# Altium PCB DD2090_4CAM_FFC.PcbDoc (part 1 of 4) (continued)
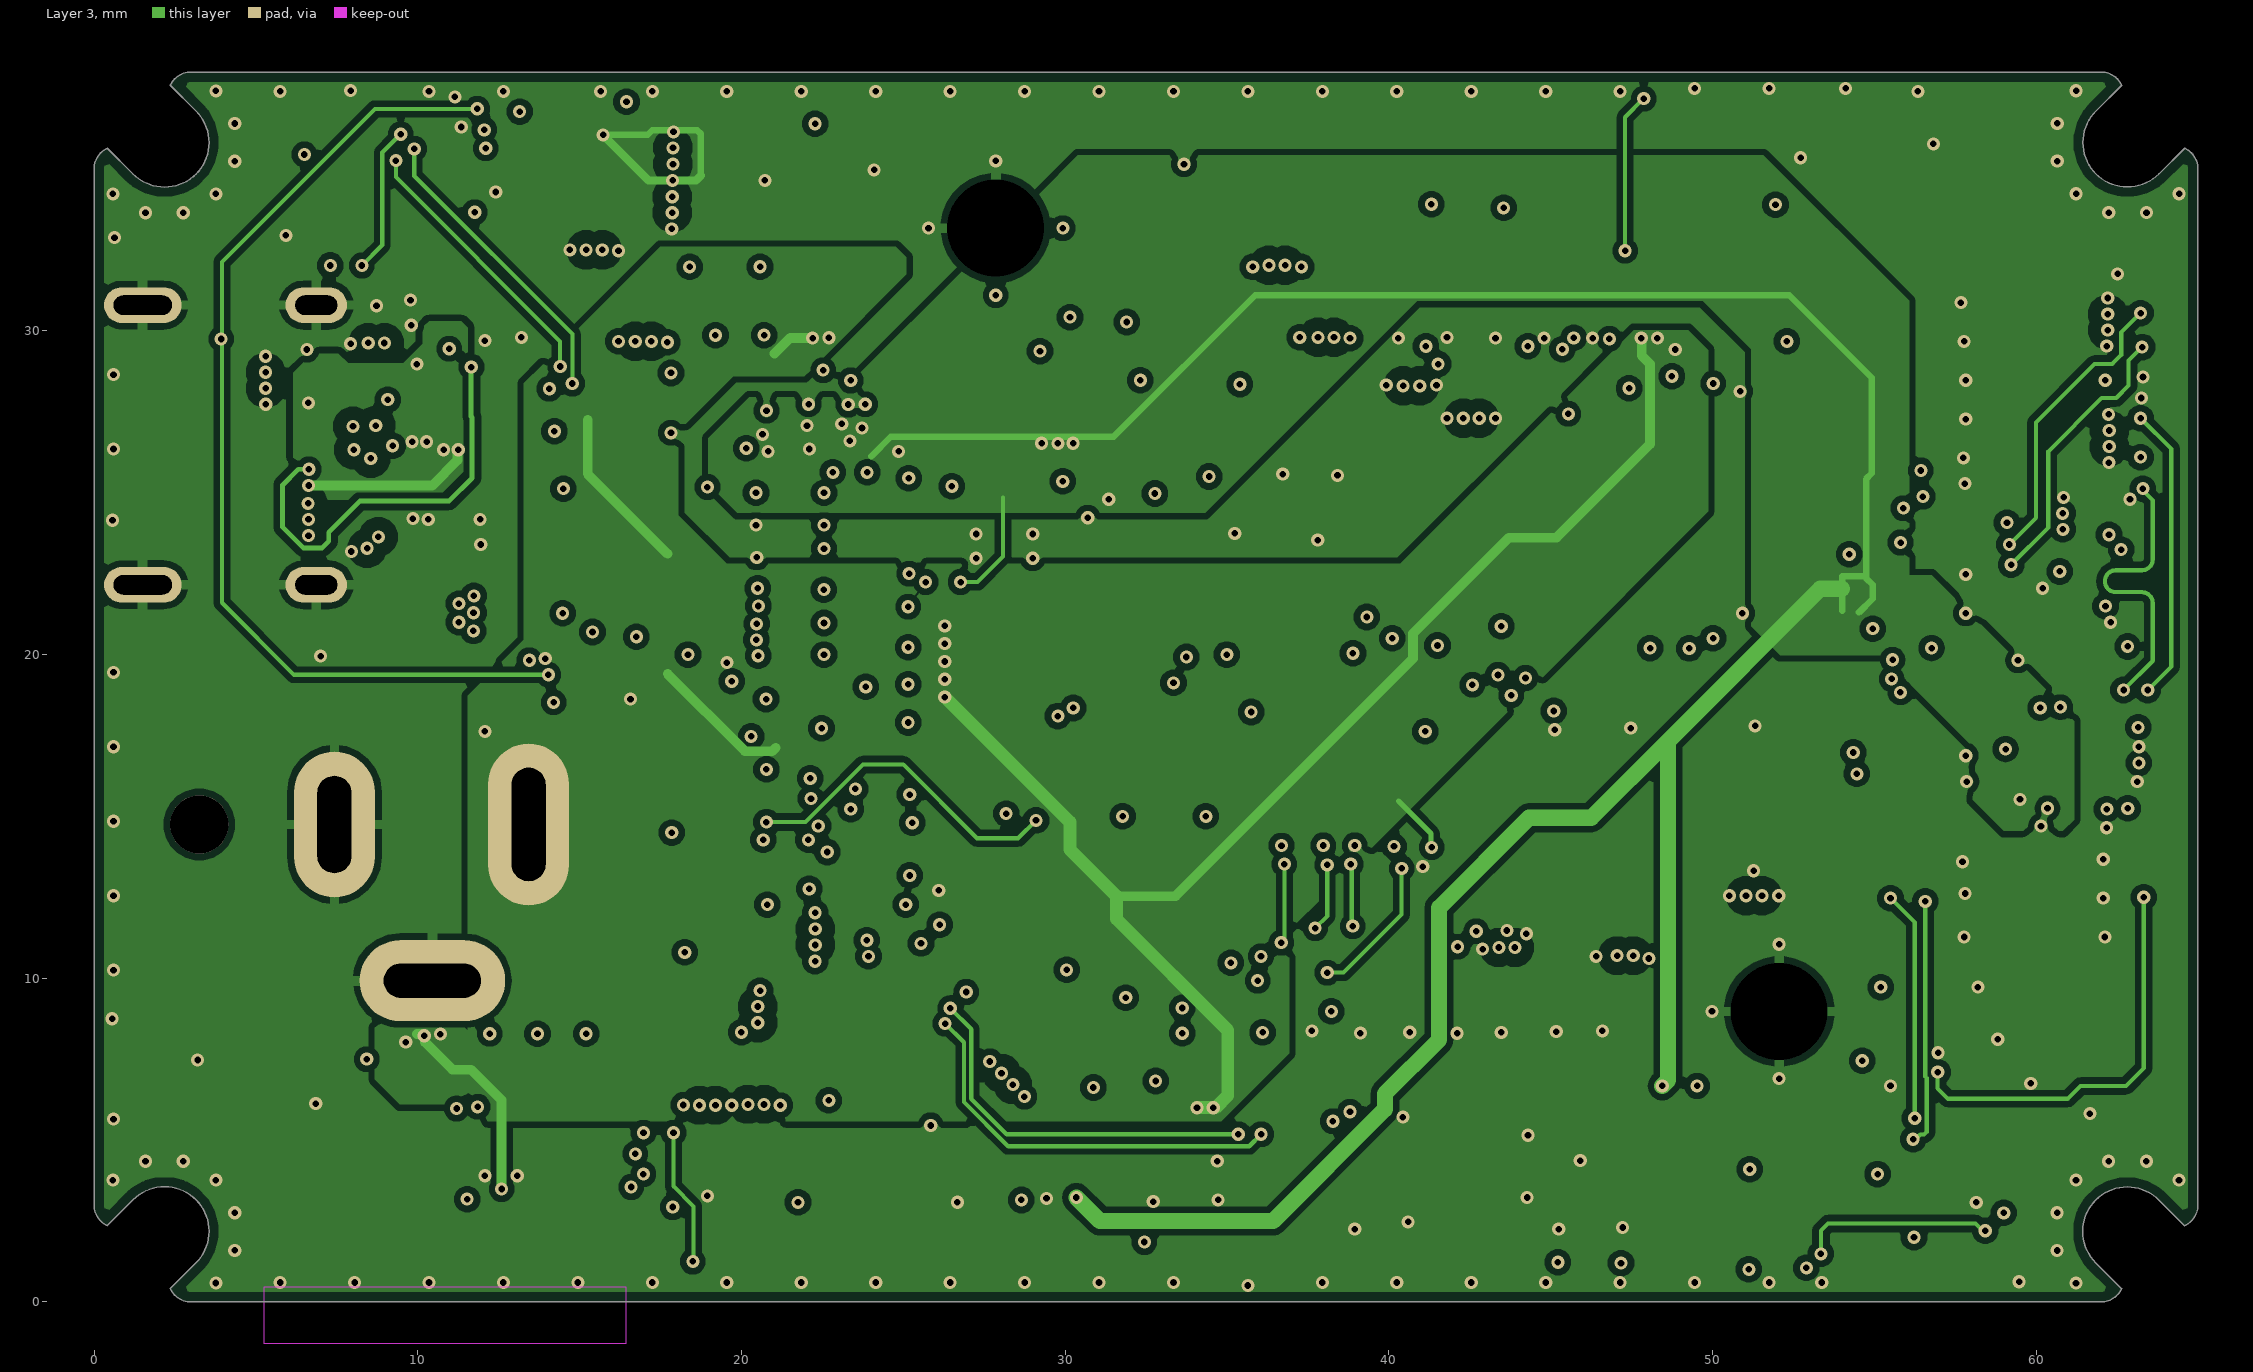
[diagram p4: Layer 3]
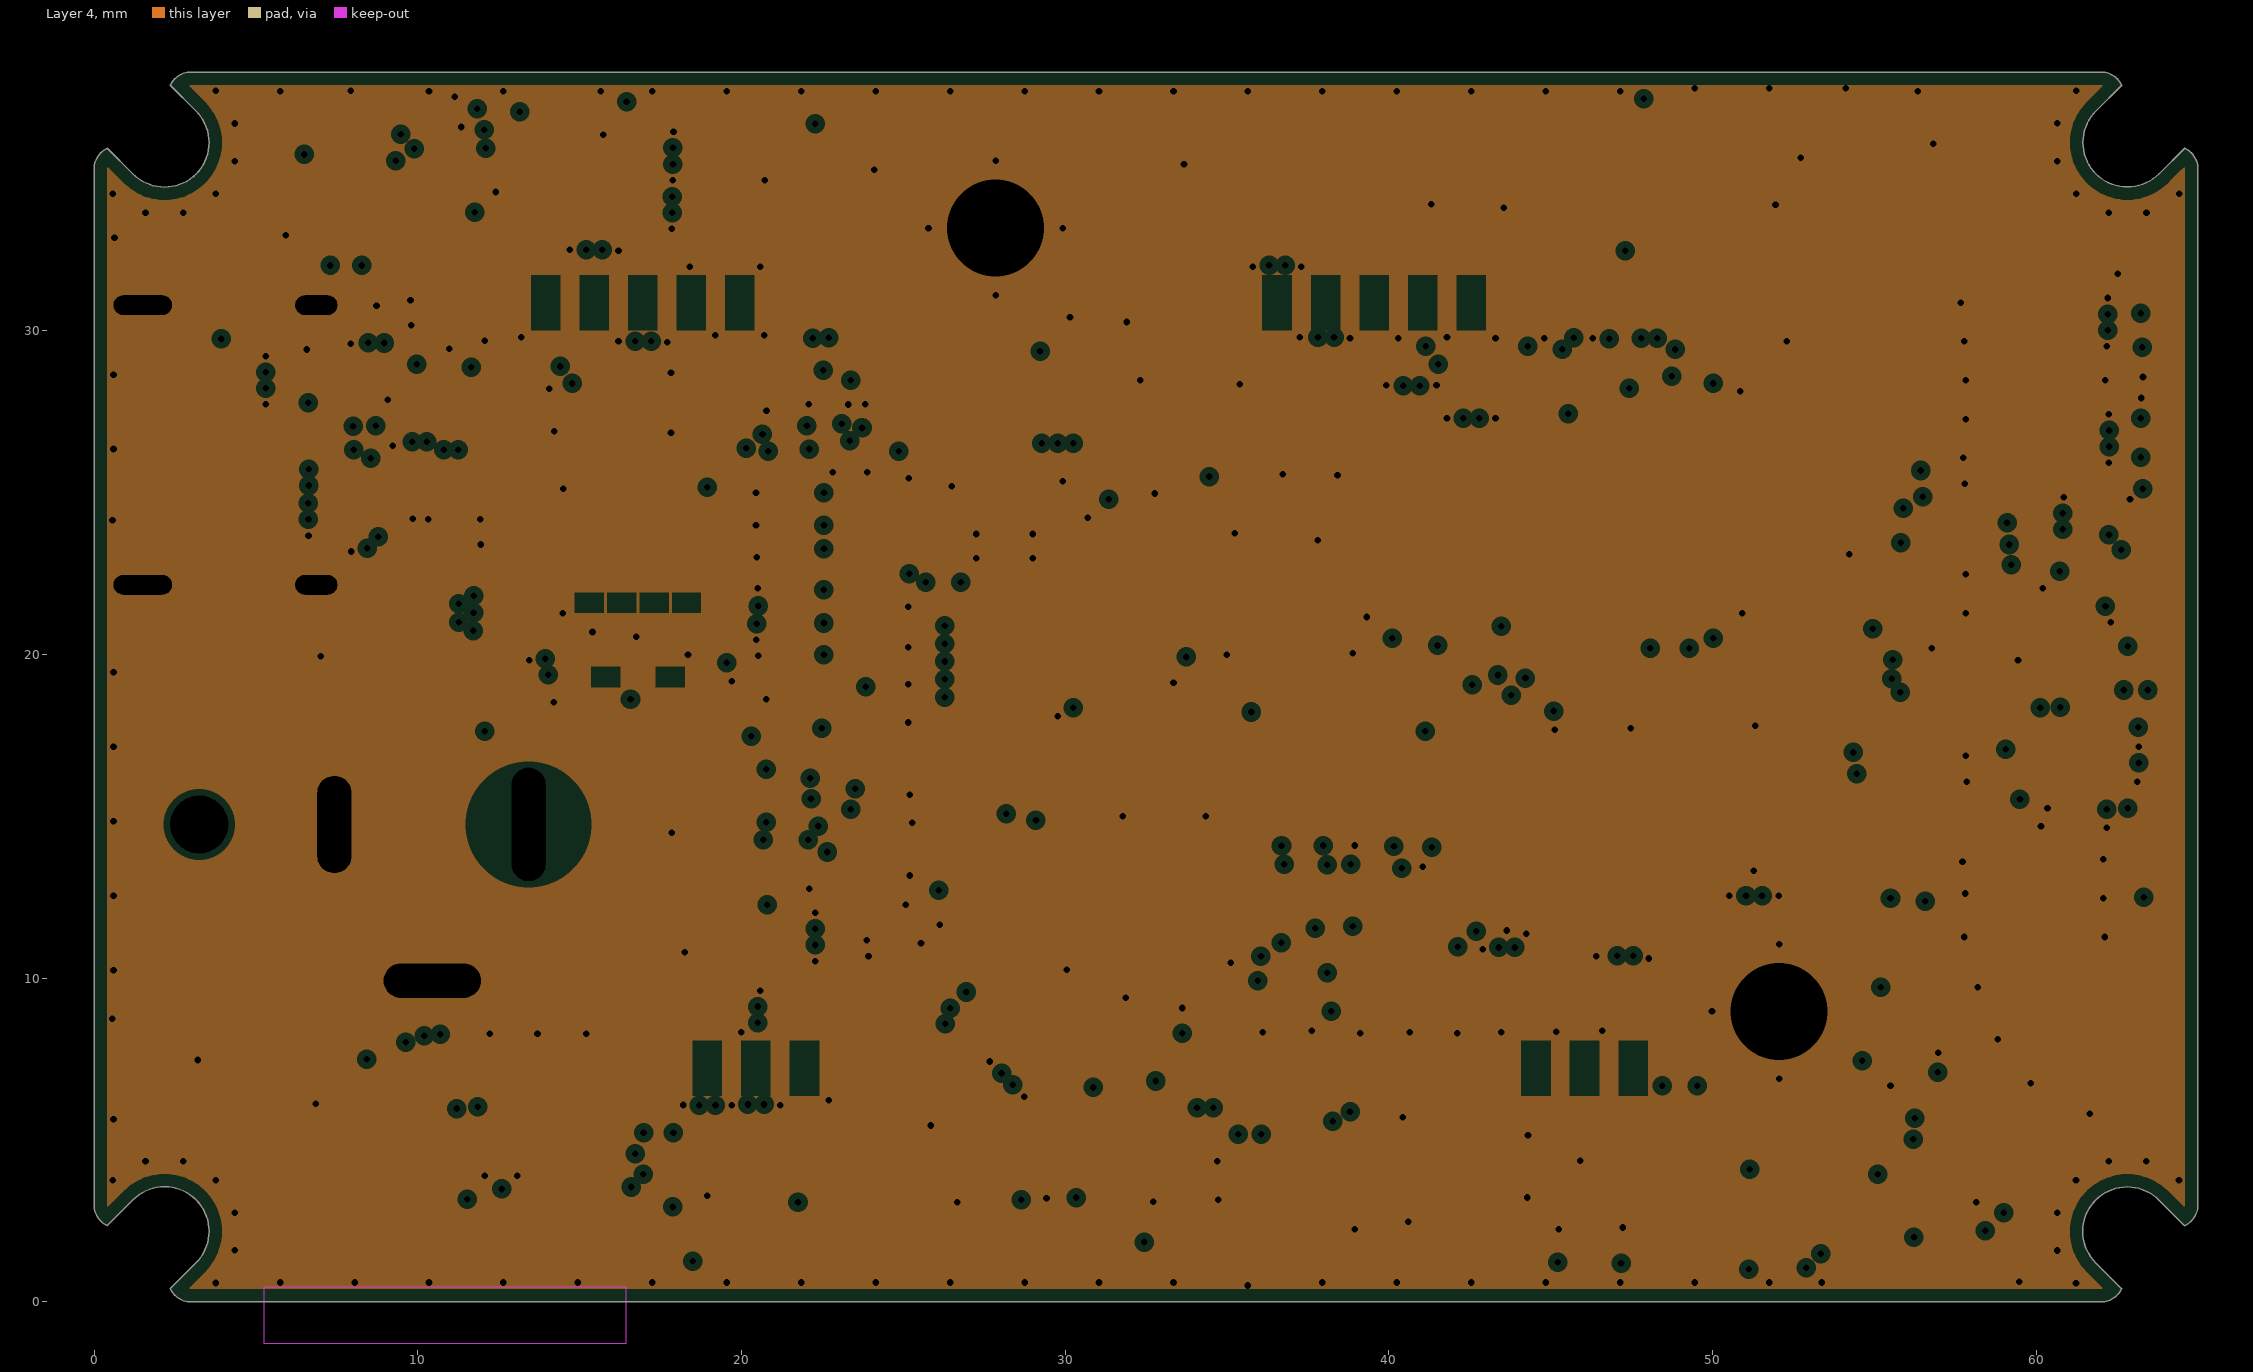
[diagram p5: Layer 4, clearances drawn from the general rule]

## Layer stack, top to bottom
Top Mask: solder mask 0.018, Solder Resist, Dk 4.2
Top Copper: signal copper 0.0356
Dielectric 3 (1080): prepreg 0.0711, PP-006, Dk 3.8
Layer 1: plane copper 0.035, net GND
Dielectric 1 (2116): prepreg 0.1168, PP-016, Dk 4.1
Layer 2: signal copper 0.035
Core: core 0.9906, q, Dk 4.6
Layer 3: signal copper 0.035
Dielectric 2 (2116): prepreg 0.1168, PP-016, Dk 4.1
Layer 4: plane copper 0.035, net GND
Dielectric 4 (1080): prepreg 0.0711, PP-006, Dk 3.8
Bottom Layer: signal copper 0.0356
Bottom Solder: solder mask 0.018, Solder Resist, Dk 4.2

## Board outline
2.354,0.41 ccw(c2.998,0.71) 2.998,0 61.997,0 ccw(c61.997,0.711) 62.641,0.41 62.64,0.408 61.843,1.205 cw(c62.815,2.178) 63.788,3.15 64.585,2.353 64.587,2.354 ccw(c64.287,2.998) 64.997,2.998 65,3 65,35 ccw(c64.29,35) 64.59,35.643 64.588,35.645 63.791,34.848 cw(c62.819,35.82) 61.846,36.792 62.644,37.59 62.645,37.587 ccw(c62.001,37.287) 62.001,37.998 2.998,37.998 ccw(c2.998,37.288) 2.354,37.588 2.353,37.586 3.15,36.789 cw(c2.178,35.816) 1.205,34.844 0.408,35.641 0.41,35.642 ccw(c0.711,34.998) 0,34.998 -0.002,35 -0.002,2.998 0,2.999 ccw(c0.711,2.999) 0.41,2.355 0.408,2.356 1.205,3.154 cw(c2.178,2.181) 3.15,1.209

## Design rules (kind name [scope] priority, off if disabled: settings)
AssemblyTestPointUsage [All] p1: valid=2
BoardOutlineClearance BoardOutlineClearance_Exception [HasFootprint('105450-0101')] p1: gap=0.225 ignorepadtopadclearanceinfootprint=FALSE
BoardOutlineClearance [All] p2: gap=0.305 ignorepadtopadclearanceinfootprint=FALSE
Clearance "Poly to Diff" [InNamedPolygon('GND_L1') Or InNamedPolygon('VBUS_TOP_DC') Or InNamedPolygon('VDD_5V_TOP_DC') Or InNamedPolygon('1V8_L3') Or InNamedPolygon('GND_L3') Or InNamedPolygon('VBUS_L3') Or InNamedPolygon('VDD_5V_L3') Or InNamedPolygon('3V3_L4') Or InNamedPolygon('GND_L4') Or InNamedPolygon('VBUS_L4') Or InNamedPolygon('VDD_5V_L4') Or InNamedPolygon('tgr') vs (InDifferentialPairClass('All Differential Pairs'))] p1: gap=0.2 ignorepadtopadclearanceinfootprint=FALSE except(0.4: Via-Fill Via-Poly Via-Region; 0.8: Arc-Fill Arc-Poly Arc-Region Track-Fill Track-Poly Track-Region)
Clearance general [All] p2: gap=0.102 ignorepadtopadclearanceinfootprint=FALSE except(0.089: Via-Via; 0.2: Arc-Fill Arc-Poly Arc-Region Track-Fill Track-Poly Track-Region SMDPad-Fill SMDPad-Poly SMDPad-Region THPad-Fill THPad-Poly THPad-Region Via-Fill Via-Poly Via-Region Fill-Fill Fill-Poly Fill-Region Poly-Poly Poly-Region Region-Region)
ComponentClearance [All] p1: gap=0 collisioncheckmode=3 verticalgap=0 showdistances=FALSE
DiffPairsRouting 90ohm_diff_pair [InDifferentialPairClass('USB3')] p1: maxlimit=0.254 minlimit=0.102 mostfreqgap=0.254 toplayer_maxgap=0.102 toplayer_prefgap=0.102 toplayer_minwidth=0.102 toplayer_maxwidth=0.102 toplayer_prefwidth=0.102 bottomlayer_maxgap=0.102 bottomlayer_prefgap=0.102 bottomlayer_minwidth=0.102 bottomlayer_maxwidth=0.102 bottomlayer_prefwidth=0.102 impedanceprofiledriven=TRUE impedanceprofileid={E8767E0A-F1A8-41FE-9F94-E5935E97141E} impedanceprofilevalue=90.000000 maxuncoupledlength=12.7
DiffPairsRouting 100ohm_Diff_pair [InDifferentialPairClass('100ohm')] p2: maxlimit=0.254 minlimit=0.102 mostfreqgap=0.254 toplayer_mingap=0.127 toplayer_maxgap=0.127 toplayer_prefgap=0.127 toplayer_minwidth=0.089 toplayer_maxwidth=0.089 toplayer_prefwidth=0.089 bottomlayer_mingap=0.127 bottomlayer_maxgap=0.127 bottomlayer_prefgap=0.127 bottomlayer_minwidth=0.089 bottomlayer_maxwidth=0.089 bottomlayer_prefwidth=0.089 impedanceprofiledriven=TRUE impedanceprofileid={A9FFC291-69E9-4DAD-BB28-77FB23F50BE8} impedanceprofilevalue=100.000000 maxuncoupledlength=12.7
FabricationTestPointUsage [All] p1: valid=2 allowmultiple=FALSE
HoleSize [All] p1: absolutevalues=TRUE maxlimit=3.81 minlimit=0.025 maxpercent=80.000 minpercent=20.000
HoleToHoleClearance [All] p1: gap=0.254 allowstackedmicrovias=FALSE
MatchedLengths "Schematic Matched Net Lengths_15" [InNetClass('SDIO')] p1: tolerance=2.54 checknetsindiffpair=FALSE checkdiffpairvsdiffpair=TRUE checkxsignals=TRUE checkothers=TRUE
MatchedLengths "Schematic Matched Net Lengths_14" [InNetClass('MIPI_CAM_D')] p2: tolerance=0.127 checknetsindiffpair=FALSE checkdiffpairvsdiffpair=TRUE checkxsignals=TRUE checkothers=TRUE usedelayunits=TRUE delaytolerance=1.000000
MatchedLengths "Schematic Matched Net Lengths_13" [InNetClass('MIPI_CAM_B')] p3: tolerance=0.127 checknetsindiffpair=FALSE checkdiffpairvsdiffpair=TRUE checkxsignals=TRUE checkothers=TRUE usedelayunits=TRUE delaytolerance=1.000000
MatchedLengths "Schematic Matched Net Lengths_12" [InNetClass('MIPI_CAM_C')] p4: tolerance=0.127 checknetsindiffpair=FALSE checkdiffpairvsdiffpair=TRUE checkxsignals=TRUE checkothers=TRUE usedelayunits=TRUE delaytolerance=1.000000
MatchedLengths "Schematic Matched Net Lengths_11" [InNetClass('MIPI_CAM_A')] p5: tolerance=0.127 checknetsindiffpair=FALSE checkdiffpairvsdiffpair=TRUE checkxsignals=TRUE checkothers=TRUE usedelayunits=TRUE delaytolerance=1.000000
MatchedLengths "Schematic Matched Net Lengths_10" [InNetClass('MIPI_CAM_B')] p6: tolerance=25.4 checknetsindiffpair=TRUE checkdiffpairvsdiffpair=FALSE checkxsignals=FALSE checkothers=FALSE usedelayunits=TRUE delaytolerance=0.500000
MatchedLengths "Schematic Matched Net Lengths_9" [InNetClass('MIPI_CAM_D')] p7: tolerance=25.4 checknetsindiffpair=TRUE checkdiffpairvsdiffpair=FALSE checkxsignals=FALSE checkothers=FALSE usedelayunits=TRUE delaytolerance=0.500000
MatchedLengths "Schematic Matched Net Lengths_8" [InNetClass('MIPI_CAM_A')] p8: tolerance=25.4 checknetsindiffpair=TRUE checkdiffpairvsdiffpair=FALSE checkxsignals=FALSE checkothers=FALSE usedelayunits=TRUE delaytolerance=0.500000
MatchedLengths "Schematic Matched Net Lengths_1" [InNetClass('MIPI_CAM_C')] p9: tolerance=25.4 checknetsindiffpair=TRUE checkdiffpairvsdiffpair=FALSE checkxsignals=FALSE checkothers=FALSE usedelayunits=TRUE delaytolerance=0.500000
MatchedLengths MatchLengths_xSignals_SPI [InxSignalClass('SPI')] p10: tolerance=50 checknetsindiffpair=FALSE checkdiffpairvsdiffpair=TRUE checkxsignals=TRUE checkothers=TRUE usedelayunits=TRUE delaytolerance=50.000000
MatchedLengths MatchLengths_xSignals_IMU [InxSignalClass('IMU')] p11: tolerance=50 checknetsindiffpair=FALSE checkdiffpairvsdiffpair=TRUE checkxsignals=TRUE checkothers=TRUE usedelayunits=TRUE delaytolerance=50.000000
MinimumSolderMaskSliver [All] p1: minsoldermaskwidth=0.076
PlaneClearance [All] p1: clearance=0.2
PlaneConnect [All] p1: pad.planeconnectstyle=Relief pad.reliefexpansion=0.508 pad.reliefentries=4 pad.reliefconductorwidth=0.254 pad.reliefairgap=0.254 via.planeconnectstyle=Direct via.reliefexpansion=0.508 via.reliefentries=4 via.reliefconductorwidth=0.254 via.reliefairgap=0.254
PolygonConnect VIA_Connection [IsVia] p1: connectstyle=Direct reliefconductorwidth=0.254 reliefentries=4 polygonreliefangle="90 Angle" airgapwidth=0.254
PolygonConnect GenericPoly [All] p2: connectstyle=Relief reliefconductorwidth=0.3 reliefentries=4 polygonreliefangle="90 Angle" airgapwidth=0.2
PolygonConnect Power_poly [InNetClass('Power_trace')] p3: thpad.connectstyle=Relief thpad.reliefconductorwidth=0.3 thpad.reliefentries=4 thpad.polygonreliefangle="90 Angle" thpad.airgapwidth=0.2 smdpad.connectstyle=Direct smdpad.reliefconductorwidth=0.3 smdpad.reliefentries=4 smdpad.polygonreliefangle="90 Angle" smdpad.airgapwidth=0.2 via.connectstyle=Direct via.reliefconductorwidth=0.3 via.reliefentries=4 via.polygonreliefangle="90 Angle" via.airgapwidth=0.2
RoutingVias RoutingVias_Diff [InDifferentialPairClass('All Differential Pairs')] p1: holewidth=0.711 width=1.27 viastyle="Through Hole" minholewidth=0.711 minwidth=1.27 maxholewidth=0.711 maxwidth=1.27 useviatemplates=TRUE viatemplateguid#1={0B35E5BA-4203-4F84-A372-BF84DE8F7F00} viatemplatename#1=v41h20m31
RoutingVias [All] p2: holewidth=0.203 width=0.406 viastyle="Through Hole" minholewidth=0.203 minwidth=0.406 maxholewidth=25.4 maxwidth=25.4 viatemplateguid#1={96E2CAC1-BE54-4ED9-A847-C8798E34A94C} viatemplatename#1=v41h20m0mx0
SilkToSilkClearance [All] p1: silktosilkclearance=0.127
SilkToSolderMaskClearance SilkscreenOverComponentPads [IsPad] p1: minsilkscreentomaskgap=0.1 clearancetoexposedcopper=FALSE
SolderMaskExpansion SolderMaskExpansion_Via [isvia] p1: expansion=-10 istentingtop=TRUE
SolderMaskExpansion [All] p2: expansion=0.051 istentingtop=FALSE
UnRoutedNet [All] p1: checkbadconnections=TRUE
Width [All] p1: maxlimit=2.54 minlimit=0.127 preferedwidth=0.127
18 further rules are at their usual default settings.

## Classes and differential pairs
net class POWER: NetQ1_1 VBUS
component class U_DD2090_4CAM_FFC_IR_Dot_Projector_IR_LED: J12 SW1
component class U_DD2090_4CAM_FFC_EEPROM: C10 R30 R33 R34 R37 R38 R39 R40 U6
net class MIPI_CAM_D: MIPI2_C_N MIPI2_C_P MIPI2_D0_N MIPI2_D0_P MIPI2_D1_N MIPI2_D1_P MIPI2_D2_N MIPI2_D2_P MIPI2_D3_N MIPI2_D3_P
component class U_DD2090_4CAM_FFC_MIPI_4LANE_CAM: D6 D8 D10 D12 D13 D14 J6 J10 R17 R18 TP2 TP3 TP4 TP9 TP22 TP23
component class U_DD2090_4CAM_FFC_Connector_B: C9 J3 R11 R12 R44 U5
component class U_DD2090_4CAM_FFC_BOOT_JTAG_SD: B1 C55 J7 J11 R2 R9 R16 R19 R20 R21 R22 R23 R24 R28 R29 R41 R60 R61 R63 R66 R67 TP6
net class SPI: BNO08x_CIPO_1V8 BNO08x_COPI_1V8 BNO08x_CS_1V8 BNO08x_SCK_1V8 SPI_SIO2 SPI_SIO3 SPI_SS_0
component class U_DD2090_4CAM_FFC_IMU: C18 C19 C42 C43 C44 C45 C46 C47 C48 R1 R5 R35 R36 TP19 TP25 TP26 U7 U12 Y1
component class U_DD2090_4CAM_FFC_Power_Supply: C1 C2 C3 C4 C5 C6 C7 C13 C14 C15 C16 C17 D3 J2 L1 Q1 R6 R8 R25 R42 TP7 TP8 TP14 TP15 TP16 TP17 TP18 U1 U2 U4
net class SDIO: SD_HST0_CLK SD_HST0_CMD SD_HST0_D0 SD_HST0_D1 SD_HST0_D2 SD_HST0_D3 SD_HST0_D4
differential pair class 90ohm: USB_D USB_RX USB_TX
differential pair class USB3: RXB RXC TXB TXB1 TXC TXC1 USB_D USB_RX USB_TX
differential pair class 100ohm: CAM_L_C CAM_L_D0 CAM_L_D1 CAM_R_C CAM_R_D0 CAM_R_D1 MIPI1_C MIPI1_D0 MIPI1_D1 MIPI1_D2 MIPI1_D3 MIPI2_C MIPI2_D0 MIPI2_D1 MIPI2_D2 MIPI2_D3 MIPI_RX2_C MIPI_RX2_D0 MIPI_RX2_D1 MIPI_RX3_C MIPI_RX3_D0 MIPI_RX3_D1 MIPI_RX4_C MIPI_RX4_D0 MIPI_RX4_D1 MIPI_RX5_D0 MIPI_RX5_D1
net class Power_trace: 3V3 5V_IN LX1 VBUS VDD_5V
net class MIPI_CAM_C: CAM_R_C_N CAM_R_C_P CAM_R_D0_N CAM_R_D0_P CAM_R_D1_N CAM_R_D1_P
net class MIPI_CAM_B: CAM_L_C_N CAM_L_C_P CAM_L_D0_N CAM_L_D0_P CAM_L_D1_N CAM_L_D1_P
net class MIPI_CAM_A: MIPI1_C_N MIPI1_C_P MIPI1_D0_N MIPI1_D0_P MIPI1_D1_N MIPI1_D1_P MIPI1_D2_N MIPI1_D2_P MIPI1_D3_N MIPI1_D3_P
component class U_DD2090_4CAM_FFC_USB: C8 C11 C12 C73 C74 C76 C207 C208 C209 C211 C212 D15 D16 D17 J14 R31 R32 R183 R185 R186 R187 R190 R213 R214 RZ28 RZ29 TP40 TP41 TP42 TP43 TP44 U61 U62
component class U_DD2090_4CAM_FFC_MIPI_2LANE_CAM: D5 D7 D9 D11 J8 J9 R13 R14 TP1 TP5 TP11 TP13 TP20 TP21
component class U_DD2090_4CAM_FFC_Connector_A: B2 D1 D2 D4 J1 J4 J5 J13 M1 M3 R3 R4 R7 R10 R15 R26 R27 R43
component class DD2090_4CAM_FFC_TopLevel: FID1 FID2 FID3 FID4 FID5 FID6 MTG7 MTG8
differential pair MIPI2_D3: +MIPI2_D3_P -MIPI2_D3_N
differential pair MIPI2_D2: +MIPI2_D2_P -MIPI2_D2_N
differential pair MIPI2_D1: +MIPI2_D1_P -MIPI2_D1_N
differential pair MIPI2_D0: +MIPI2_D0_P -MIPI2_D0_N
differential pair MIPI2_C: +MIPI2_C_P -MIPI2_C_N
differential pair MIPI1_D3: +MIPI1_D3_P -MIPI1_D3_N
differential pair MIPI1_D2: +MIPI1_D2_P -MIPI1_D2_N
differential pair MIPI1_D1: +MIPI1_D1_P -MIPI1_D1_N
differential pair MIPI1_D0: +MIPI1_D0_P -MIPI1_D0_N
differential pair MIPI1_C: +MIPI1_C_P -MIPI1_C_N
differential pair CAM_R_D1: +CAM_R_D1_P -CAM_R_D1_N
differential pair CAM_R_D0: +CAM_R_D0_P -CAM_R_D0_N
differential pair CAM_R_C: +CAM_R_C_P -CAM_R_C_N
differential pair CAM_L_D1: +CAM_L_D1_P -CAM_L_D1_N
differential pair CAM_L_D0: +CAM_L_D0_P -CAM_L_D0_N
differential pair CAM_L_C: +CAM_L_C_P -CAM_L_C_N
differential pair USB_TX: +USB_TX_P -USB_TX_N
differential pair USB_RX: +USB_RX_P -USB_RX_N
differential pair USB_D: +USB_D_P -USB_D_N
differential pair TXC: +TXC_P -TXC_N
differential pair TXC1: +TXC1_P -TXC1_N
differential pair TXB: +TXB_P -TXB_N
differential pair TXB1: +TXB1_P -TXB1_N
differential pair RXC: +RXC_P -RXC_N
differential pair RXB: +RXB_P -RXB_N

## Components (designator, comment, footprint, x,y, rotation, side; value= is the part's Value field where it differs from the comment)
B1 "Off-Mom, 50mA" DTSM-32N-V 14.373,33.725 r270 top
B2 "Off-Mom, 50mA" DTSM-32N-V 4.475,7.5 r0 top
C1 "2.2uF 0402" CAPC0402(1005)70_L 29.325,25.875 r0 bottom
C2 "22uF 0603" CAPC0603(1608)100_L 27.325,26.025 r180 bottom
C3 "22uF 0603" CAPC0603(1608)100_N 9.598,21.399 r0 bottom
C4 "22uF 0603" CAPC0603(1608)100_N 9.598,19.874 r0 bottom
C5 "1uF 0402" CAPC0402(1005)70_N 15.373,19.901 r0 top
C6 "10uF 0603" CAPC0603(1608)100_L 32.075,24.1 r180 bottom
C7 "10uF 0603" CAPC0603(1608)100_L 31.987,19.136 r180 bottom
C8 "1uF 0402" CAPC0402(1005)70_N 11.515,30.021 r90 top
C9 "0.1uF 0402" CAPC0402(1005)70_L 34.998,18.975 r270 bottom
C10 "0.1uF 0402" CAPC0402(1005)70_L 38,2.25 r180 top
C11 "0.1uF 0201" CAPC0201(0603)33_L 19.75,20.45 r270 bottom
C12 "0.1uF 0201" CAPC0201(0603)33_L 13.85,20.55 r270 bottom
C13 "22uF 0603" CAPC0603(1608)100_L 26.075,20.8 r180 bottom
C14 "22uF 0603" CAPC0603(1608)100_L 28.425,18.4 r0 bottom
C15 "22uF 0603" CAPC0603(1608)100_L 26.075,19.65 r180 bottom
C16 "22uF 0603" CAPC0603(1608)100_L 26.075,18.475 r180 bottom
C17 "33pF 0201" CAPC0201(0603)33_L 25,24.125 r270 bottom
C18 "0.1uF 0402" CAPC0402(1005)70_L 40.725,14.35 r90 bottom
C19 "0.1uF 0402" CAPC0402(1005)70_L 38.55,15.75 r180 bottom
C42 "10uF 0603" CAPC0603(1608)100_L 26.848,12.35 r90 bottom
C43 "10uF 0603" CAPC0603(1608)100_L 26.248,10.35 r0 bottom
C44 "0.1uF 0402" CAPC0402(1005)70_L 27.898,10.625 r270 bottom
C45 "0.1uF 0402" CAPC0402(1005)70_L 27.898,12.275 r90 bottom
C46 "0.1uF 0402" CAPC0402(1005)70_L 31.098,15.55 r0 bottom
C47 "18pF 0201" CAPC0201(0603)33_L 31.195,9.794 r180 bottom
C48 "18pF 0201" CAPC0201(0603)33_L 29.9,9.794 r0 bottom
C55 "4.7uF 0603" CAPC0603(1608)100_N 64.1,27.075 r270 top
C73 "10uF 0402" CAPC0402(1005)70_N 13.05,26.175 r180 top
C74 "10uF 0402" CAPC0402(1005)70_N 15.373,18.675 r0 top
C76 "10uF 0402" CAPC0402(1005)70_N 10.023,36.775 r180 top
C207 "10uF 0402" CAPC0402(1005)70_N 10.3,30.025 r270 top
C208 "0.1uF 0201" CAPC0201(0603)33_L 18.603,22.849 r270 bottom
C209 "0.1uF 0201" CAPC0201(0603)33_L 18.003,22.849 r270 bottom
C211 "0.1uF 0201" CAPC0201(0603)33_L 16.603,22.849 r270 bottom
C212 "0.1uF 0201" CAPC0201(0603)33_L 16.003,22.849 r270 bottom
D1 "RED 0603" SML_D1xx8W 30.198,2.2 r180 top
D2 "ORANGE 0603" SML_D1xx8W 22.723,2.2 r180 top
D3 "3W, 5.6V" 1SMB5919BT3G 16.898,14.46 r270 top
D4 "ORANGE 0603" SML_D1xx8W 19.048,2.25 r180 top
D5 "TPD4E02B04DQAR" TPD4E02B04DQAR 45.098,9.393 r180 bottom
D6 "TPD4E02B04DQAR" TPD4E02B04DQAR 40.323,33.9 r270 top
D7 "TPD4E02B04DQAR" TPD4E02B04DQAR 42.1,9.4 r180 bottom
D8 "TPD4E02B04DQAR" TPD4E02B04DQAR 54.35,33.695 r225 bottom
D9 "TPD4E02B04DQAR" TPD4E02B04DQAR 28.635,8.373 r135 top
D10 "TPD4E02B04DQAR" TPD4E02B04DQAR 43.298,28.418 r0 bottom
D11 "TPD4E02B04DQAR" TPD4E02B04DQAR 34.427,9.805 r315 top
D12 "TPD4E02B04DQAR" TPD4E02B04DQAR 19.615,34.65 r270 top
D13 "TPD4E02B04DQAR" TPD4E02B04DQAR 17.825,27.775 r0 bottom
D14 "TPD4E02B04DQAR" TPD4E02B04DQAR 19.625,31.775 r270 top
D15 "TPD4E02B04DQAR" TPD4E02B04DQAR 13.115,23.4 r90 bottom
D16 "TPD4E02B04DQAR" TPD4E02B04DQAR 13.115,26.95 r90 bottom
D17 "TPD4E02B04DQAR" TPD4E02B04DQAR 13.03,28.225 r90 top
FID1 "FIDUCIAL_ROUND_1MM" FIDUCIAL_ROUND_1MM 58.475,35.95 r90 bottom
FID2 "FIDUCIAL_ROUND_1MM" FIDUCIAL_ROUND_1MM 60.175,5.35 r90 bottom
FID3 "FIDUCIAL_ROUND_1MM" FIDUCIAL_ROUND_1MM 4.45,6.35 r90 bottom
FID4 "FIDUCIAL_ROUND_1MM" FIDUCIAL_ROUND_1MM 60.25,5.5 r90 top
FID5 "FIDUCIAL_ROUND_1MM" FIDUCIAL_ROUND_1MM 58.475,35.95 r90 top
FID6 "FIDUCIAL_ROUND_1MM" FIDUCIAL_ROUND_1MM 4.675,32.375 r90 top
J1 "SoM-PRO_A Receptacle" CON_A_BW2099_SoM_DF40HC-3.0-100DS-0.4V_minpad 42.46,21.075 r180 top
J2 "PJ-050AH or NEB21R" PJ-050AH/NEB21R_COMBO 7.4,14.75 r270 top locked
J3 "SoM-PRO_B Receptacle" CON_B_BW2099_SoM_DF40HC-3.0-100DS-0.4V_minpad 42.455,21.075 r180 top
J4 "20021121-00010T1LF" 20021121-00010T1LF 48.723,24.725 r0 bottom
J5 "20021121-00010T1LF" 20021121-00010T1LF 48.748,16.725 r0 bottom
J6 "FLEX CONNECTOR, 0.50MM PITCH, HE" F32R-1A7H1-11026 42.048,32.1 r0 bottom locked
J7 "uSD push/pull" 104031-0811 58.638,26.013 r270 bottom locked
J8 "FLEX CONNECTOR, 0.50MM PITCH, HE" F32R-1A7H1-11026 40.348,6 r180 bottom locked
J9 "FLEX CONNECTOR, 0.50MM PITCH, HE" F32R-1A7H1-11026 16.45,6 r180 bottom
J10 "FLEX CONNECTOR, 0.50MM PITCH, HE" F32R-1A7H1-11026 16.45,32.1 r0 bottom locked
J11 "SFV10R-2STE1HLF Top Contact" SFV10R-2STE1HLF 10.848,4.425 r0 top locked
J12 "F32R-1A7H1-11010" F32R-1A7H1-11010 60.275,12.4 r270 bottom
J13 "SM07B-GHS-TB" SM07B-GHS-TB 51.8,3.575 r0 top locked
J14 "USB3.1 TYPEC 24P SMD RA" 105450-0101 6.625,26.475 r270 top locked
L1 "1uH, 3.2A, 20%" DFE252012P-1R0M=P2 28.825,20.175 r180 bottom
M1 "RE1C002UNTCL" RE1C002UNTCL 18.963,3.875 r270 top
M3 "RE1C002UNTCL" RE1C002UNTCL 25.248,2.225 r90 top
MTG7 "M2, 3MM steel spacer on M2.5 mounting pad" 9774030243R 27.855,33.175 r90 top
MTG8 "M2, 3MM steel spacer on M2.5 mounting pad" 9774030243R 52.06,8.975 r90 top
Q1 "IRLTS2242TRPBF" TSOP-6-MFG 16.25,23.075 r180 top
R1 "2.2K 0402" RESC0402(1005)_L 35.6,13.275 r180 bottom
R2 "1K 0402" RESC0402(1005)_N 23.6,20 r0 bottom
R3 "1K 0402" RESC0402(1005)_N 28.3,2.175 r0 bottom
R4 "1K 0402" RESC0402(1005)_N 20.948,2.6 r90 top
R5 "2.2K 0402" RESC0402(1005)_L 35.6,14.2 r180 bottom
R6 "0R 0603" RESC0603(1608)_N 17.625,19.925 r90 top
R7 "CRCW04020000Z0ED" RESC0402(1005)_L 62.675,21.975 r90 top value=0
R8 "90.9K 0402" RESC0402(1005)_L 25.75,24.125 r270 bottom
R9 "1K 0402" RESC0402(1005)_N 23.6,25 r0 bottom
R10 "22R 0402" RESC0402(1005)_N 42.623,20.075 r0 top
R11 "10K 0402" RESC0402(1005)_L 39.975,19.225 r270 bottom
R12 "22R 0402" RESC0402(1005)_N 42,19.125 r270 bottom